# Altium PCB QCopterFC__Pcb.PcbDoc (part 2 of 2)
Units mil, origin at the board's own origin, x right, y up, seen from the top; angles counter-clockwise.
Board outline 2027.56 x 1377.95 mil, 4 copper layers (Top Layer, Mid Layer 1, Mid Layer 2, Bottom Layer), stack 24.2 mil thick; 59 components, 67 nets, 290 pads, 155 vias.
Unrouted connection lines stored in the file: 1.
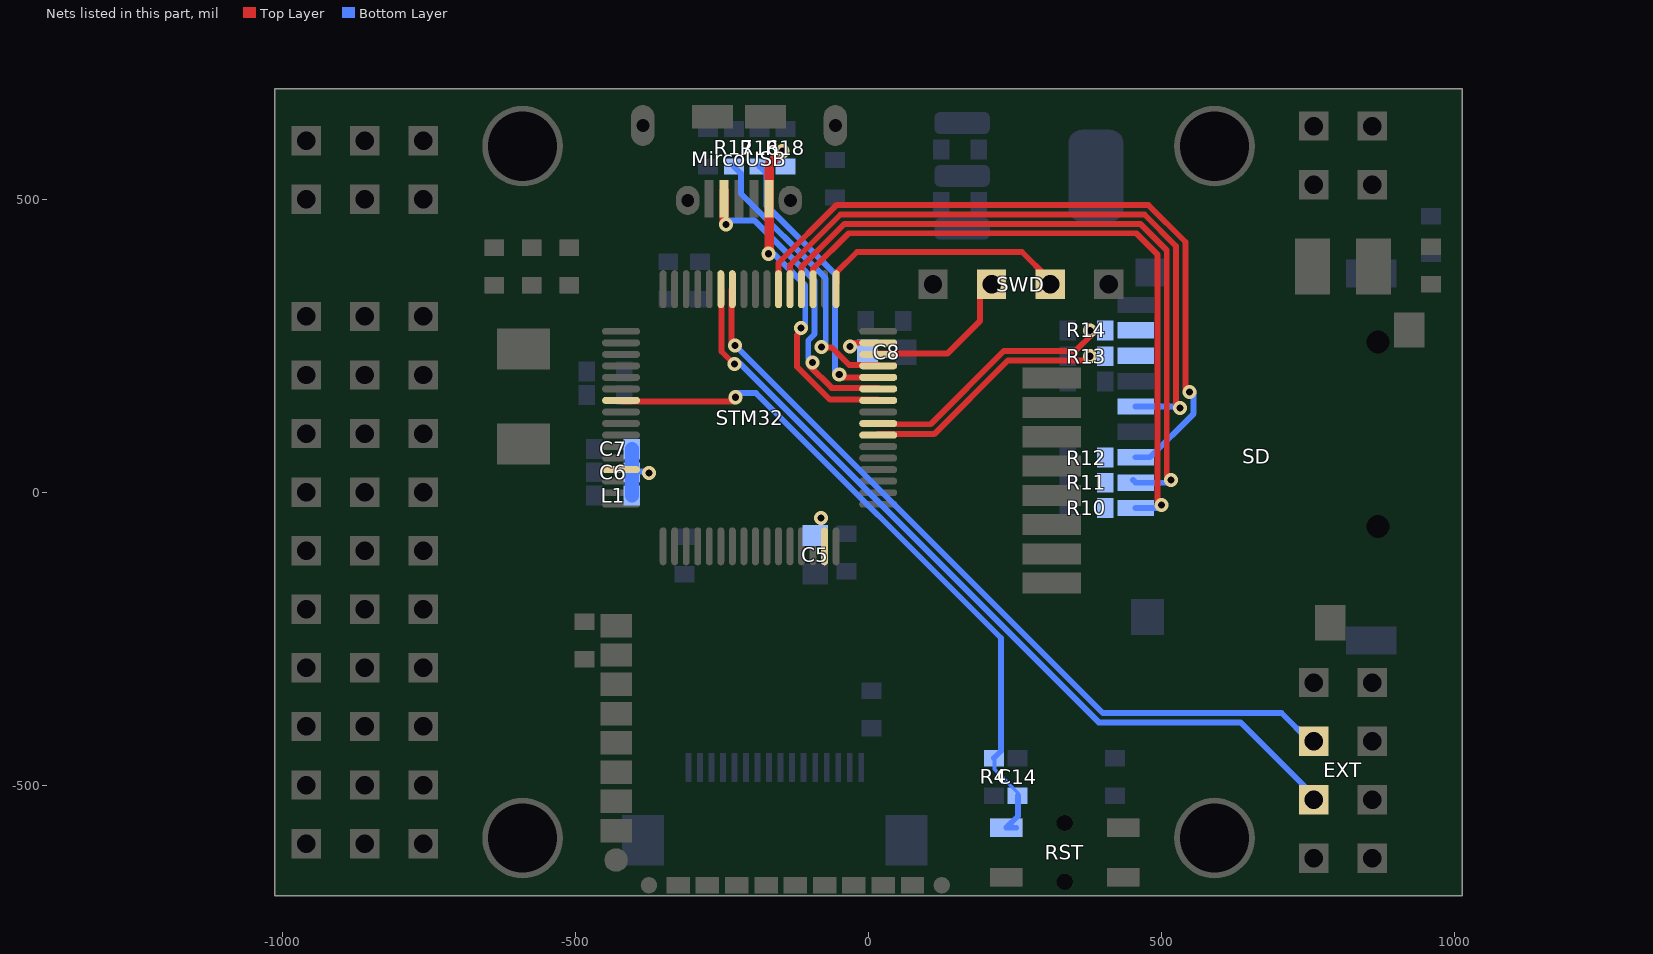
[diagram p2: the nets of this part, all layers, seen from the top]

## Via types
v1: diameter 24, hole 12, Top Layer to Bottom Layer, 155 vias

## Nets (pads, with @x,y where several pads share a name; then routed paths per layer and width w, separated by ;. In a path a pad name is that pad's centre, name@x,y a point inside that pad or via, vN(x,y) a via of type N, cw(c..) or ccw(c..) an arc to the next point about the centre after c; other vN are vias at no path point) (continued)
RST: C14.1 R4.1 RST.2 STM32.7 | length 1191
  Top Layer w10: STM32.7@-422,155 v1@-228,155
  Bottom Layer w6: R4.1@215,-454 215,-473 255,-513 C14.1@255,-518
  Bottom Layer w10: v1@-227,169 -192,169 226,-249 226,-442 R4.1@214,-454 ; RST.2@252.09,-572.91 RST.2@235,-572.91 255,-552.9 C14.1@255,-518
  other v1: -227,162
SD_CK: SD.5 STM32.53 | length 1115.7
  Top Layer w10: STM32.53@-134.1,346.49 -134.1,387.9 -48,474 471,474 525,420 525,151 v1(532,144)
  Bottom Layer w10: SD.5@456,146.23 v1@534.23,146.23
SD_CMD: R12.1 SD.3 STM32.54 | length 1256.9
  Top Layer w10: STM32.54@-153.79,346.49 -153.79,391.21 -55,490 478,490 541,427 541,178 v1(548,171)
  Bottom Layer w10: v1@555,171 555,134 SD.3@480.61,59.61 ; SD.3@480.61,59.61 SD.3@456,59.61 SD.3@480.61,59.61
SD_D0: R13.1 SD.7 STM32.39 | length 414.2
  Top Layer w10: STM32.39@16,99 112,99 238,225 v1@378,225
  other v1: 378,232
SD_D1: R14.1 SD.8 STM32.40 | length 430.8
  Top Layer w10: STM32.40@16,116 106,116 231,241 ; 231.37,241 353,241 v1@383,271
  other v1: 378,276
SD_D2: R10.1 SD.1 STM32.51 | length 1137.5
  Top Layer w10: STM32.51@-94.73,346.49 -94.73,381.27 -34,442 457,442 493,406 493,-15 v1(500,-22)
  Bottom Layer w10: SD.1@456,-27 v1@500,-27
SD_D3: R11.1 SD.2 STM32.52 | length 1174.8
  Top Layer w10: STM32.52@-114.42,346.49 -114.42,384.58 -41,458 464,458 509,413 509,28 v1(516,21)
  Bottom Layer w10: SD.2@451.31,21 SD.2@456,16.31 ; SD.2@456.31,16 v1@519,16
SWCLK: STM32.49 SWD.3 | length 426.3
  Top Layer w10: STM32.49@-55.36,346.49 -55.36,356.64 -55,357 -55,374.86 -19.86,410 262,410 306,366 SWD.3@310,366
SWDIO: STM32.46 SWD.2 | length 268.1
  Top Layer w10: STM32.46@16,237 135,237 190,292 190,335 SWD.2@210,355
UART_RX: EXT.5 STM32.59 | length 1420.1
  Top Layer w10: STM32.59@-252.21,346.49 -251,345.28 -251,240 v1@-236.53,225.53
  Bottom Layer w10: v1@-220,220 393,-393 635,-393 760,-518 EXT.5@760,-525
  other v1: -229,219
UART_TX: EXT.3 STM32.58 | length 1366.2
  Top Layer w10: STM32.58@-234,346 -234,257 v1@-227,250
  Bottom Layer w10: v1@-227.5,250.5 400,-377 705,-377 753,-425 EXT.3@760,-425
  other v1: -228,250
USB_DM: R16.1 STM32.44 | length 473
  Top Layer w10: v1@-48,201 -42.9,195.9 STM32.44@16.49,195.9
  Bottom Layer w10: R16.1@-186,556 -174,544 -174,491 ; -174,489 -57,372 v1@-57,201
  other v1: -50,201
USB_DP: R17.1 STM32.45 | length 477
  Top Layer w10: v1@-80,247 -63.44,247 ; -63,247 -33,217 STM32.45@16,217
  Bottom Layer w10: R17.1@-230,556 -218,544 -218,512 ; -218,510 -73,365 v1@-73,250
  other v1: -80,248
USB_ID: MircoUSB.4 STM32.43 | length 534.3
  Top Layer w10: v1@-101,216 -63,178 STM32.43@16,178
  Top Layer w16: MircoUSB.4@-246.59,516 -246.59,460.59 v1(-243,457)
  Bottom Layer w10: v1@-243,464 -195,464 -92,361 -92,270 -103,259 -103,228 v1(-96,221)
USB_VBUS: MircoUSB.1 R18.1 STM32.42 | length 574.2
  Top Layer w10: v1@-116,274 -122,268 -122,214 -66,158 STM32.42@16,158
  Top Layer w16: v1@-169.82,407.18 -169.82,558.18 ; -169.82,559.18 v1(-147,582)
  Bottom Layer w10: v1(-171,407) -162,407 -108,353 v1@-108,281 ; v1@-116,274 v1@-109,281
  other v1: -115,280
VCAP1: C5.1 STM32.31
  other v1: -81,-44
VCAP2: C8.1 STM32.47 | length 40.5
  Top Layer w10: v1@-24.05,254.95 STM32.47@16.49,254.95
  other v1: -32,249
VDDA: C6.2 C7.2 L1.2 STM32.13 | length 106
  Bottom Layer w10: C6.2@-404,35 v1@-378,35
  Bottom Layer w24: L1.2@-404,-6 C6.2@-404,34 -404,35 C7.2@-404,74
  other v1: -375,33
pads on no net: HDR2.1 IMU.10 IMU.11 IMU.12 IMU.13 IMU.14 IMU.15 IMU.16 KEY.4 RST.4

## Other copper
Top Layer:
  region net IMU_SDI: -458,-558 -461,-561 -461,-595 -458,-598 -404,-598 -401,-595 -401,-573 -356,-528 -356,-515 -348.5,-507.5 -357,-499 -369,-499 -369,-522 -405,-558
  region net IMU_RX: -458,-308 -461,-311 -461,-345 -458,-348 -339,-348 -250,-437 -146.8,-437 -110.78,-400.98 -110.78,-371.98 -102.28,-363.48 -110.78,-354.98 -122.78,-354.98 -122.78,-398.98 -150.8,-427 -246,-427 -335,-338 -395,-338 -401,-332 -401,-311 -404,-308
  region net IMU_TX: -458,-358 -461,-361 -461,-395 -458,-398 -404,-398 -401,-395 -401,-374 -395,-368 -342,-368 -257,-453 -138.8,-453 -89.78,-403.98 -89.78,-393.98 -81.28,-385.48 -89.78,-376.98 -101.78,-376.98 -101.78,-401.98 -143,-443 -253,-443 -338,-358
  region net IMU_CSM: -458,-408 -461,-411 -461,-445 -458,-448 -404,-448 -402,-446 -402,-443 -387,-428 -395,-420 -396,-420 -396,-408
  region net IMU_SCK: -458,-458 -461,-461 -461,-495 -458,-498 -404,-498 -402,-496 -402,-493 -387,-478 -395,-470 -396,-470 -396,-458
  region net IMU_SDO: -458,-508 -461,-511 -461,-545 -458,-548 -404,-548 -401,-545 -401,-537 -378.5,-514.5 -395,-498 -405,-508
  region net IMU_IRQ: -470,-620 -470,-608 -404,-608 -401,-611 -401,-631 -418,-648 -459,-648 -478.5,-628.5
  region net USB_VBUS: -138.5,573.5 -162,550 -162,407.18 -178,407.18 -178,568 -155.5,590.5
  region net GND: 388,-651 283,-651 272,-662 272,-676 275,-679 392,-679 398,-673 398,-661
  region net GND: 105,-657 195,-657 198,-660 198,-682 195,-685 105,-685 102,-682 102,-660
  region net KEY: 463,-557 451,-557 424.5,-530.5 416,-539 404,-539 404,-586 407,-589 463,-589 466,-586 466,-560
  region net 3V3: -195,-685 -195,-657 -175,-637 177,-637 187,-627 187,-539 199,-539 207.5,-547.5 201,-554 201,-628 214,-641 262,-641 272,-631 397,-631 407,-641 463,-641 466,-644 466,-663 469,-666 818,-666 832,-652 832,-603 835,-600 914,-600 924,-590 924,-304 914,-294 811,-294 785,-320 785,-350 735,-350 735,-300 785,-300 805,-280 920,-280 938,-298 938,-596 920,-614 901,-614 888,-627 888,-647 885,-650 854,-650 824,-680 462,-680 455,-673 407,-673 404,-670 404,-658 391,-645 279,-645 266,-658 266,-670 263,-673 207,-673 204,-670 204,-654 201,-651 -149,-651 -155,-657 -155,-685
  region net NetD1_1: 946,338 943,341 943,381 951.5,389.5 960,381 968.5,389.5 977,381 977,341 974,338
  region net NRF_IRQ: 363,-87 366,-90 366,-121 363,-124 263,-124 260,-121 260,-94 193,-27 -13,-27 -16,-24 -16,-17 -13,-14 49,-14 52,-17 197,-17 267,-87
  region net NRF_SDO: 363,-37 366,-40 366,-71 363,-74 263,-74 221,-32 221,14 233,14 241.5,5.5 233,-3 233,-20 250,-37
  region net NRF_CSN: 263,76 260,79 260,110 263,113 462,113 472,123 472,397 448,421 -25,421 -69,377 -69,317 -72,314 -79,314 -82,317 -82,378 -29,431 452,431 482,401 482,119 466,103 375,103 366,94 366,79 363,76
  region net NRF_SDI: 363,13 366,10 366,-21 363,-24 251,-24 251,-12 242.5,-3.5 259,13
  region net NRF_SCK: 363,63 366,60 366,29 363,26 251,26 251,38 242.5,46.5 259,63
  region net NRF_CE: 363,163 366,160 366,129 363,126 250,126 242.5,133.5 251,142 242.5,150.5 255,163
  region net 3V3: 263,176 260,179 260,210 263,213 367,213 380.5,199.5 372,191 380.49,182.51 374.05,176
  region net 3V3: -354,379 -357,376 -357,319 -395,281 -452,281 -455,278 -455,271 -451.99,267.99 -389.62,268 -363.62,294 -353,294 -353,306 -344,306 -344,376 -347,379
  region net IMU_RX: -101,-63 -101,-178 -89,-178 -80.5,-169.5 -88,-162 -88,-63 -91,-60 -98,-60
  region net IMU_TX: -120.78,-62.98 -120.79,-197.96 -98.28,-220.48 -89.78,-211.98 -89.78,-199.98 -99.78,-199.98 -107.78,-191.98 -107.78,-62.98 -110.78,-59.98 -117.78,-59.98
  region net PWM5: -167,-122 -167,-60 -183,-44 -266,-44 -294,-16 -348,-16 -381,-49 -509,-49 -760,-300 -753,-307 -505,-59 -377,-59 -344,-26 -298,-26 -270,-54 -187,-54 -180,-61 -180,-122 -177,-125 -170,-125
  region net PWM4: -147,-122 -147,-57 -176,-28 -259,-28 -287,0 -355,0 -388,-33 -593,-33 -760,-200 -753,-207 -589,-43 -384,-43 -351,-10 -291,-10 -263,-38 -180,-38 -160,-58 -160,-122 -157,-125 -150,-125
  region net KEY: -141,-63 -141,-125 -138,-128 -138,-212 -48,-302 582,-302 670,-390 795,-390 835,-350 885,-350 885,-300 835,-300 835,-336 791,-380 674,-380 586,-292 276,-292 265.5,-281.5 257,-290 248.5,-281.5 238,-292 -44,-292 -128,-208 -128,-63 -131,-60 -138,-60
  region net ADC_V: -200,-63 -200,-232 -113,-319 576,-319 729,-472 811,-472 835,-496 835,-550 885,-550 885,-500 853,-500 815,-462 733,-462 579,-308 -107,-308 -187,-228 -187,-63 -190,-60 -197,-60
  region net ADC_I: -219,-63 -219,-239 -122,-336 570,-336 722,-488 784,-488 794.5,-498.5 803,-490 803,-478 726,-478 573,-325 -116,-325 -206,-235 -206,-63 -209,-60 -216,-60
  region net FFC_SDI: -239,-63 -239,-289 -230.5,-297.5 -213.5,-280.5 -226,-268 -226,-63 -229.17,-60 -236,-60
  region net FFC_SDO: -259,-63 -259,-300 -228,-331 -205,-331 -205,-307 -230,-307 -246,-291 -246,-63 -249,-60 -256,-60
  region net FFC_SCK: -279,-63 -279,-311 -229,-361 -188,-361 -188,-337 -231,-337 -266,-302 -266,-63 -269,-60 -276,-60
  region net FFC_CS: -298,-63 -298,-323 -230,-391 -172,-391 -172,-367 -232,-367 -285,-314 -285,-63 -288,-60 -295,-60
  region net PWM6: -357,-63 -357,-117.62 -359.38,-120 -480,-120 -760,-400 -753,-407 -476,-130 -351,-130 -344,-123 -344,-63 -347,-60 -354,-60
  region net 3V3: -52,-125 -49,-122 -49,-60 -41.5,-52.5 -50,-44 -41.5,-35.5 -65,-12 -252,-12 -280,16 -301,16 -311.5,26.5 -320,18 -320,6 -284,6 -256,-22 -72,-22 -62,-32 -62,-43.75 -62,-122 -59,-125
  region net VCAP1: -69,-44 -81,-44 -89.5,-52.5 -81,-61 -81,-122 -78,-125 -72,-125 -69,-122
  region net VCAP2: -32,261 -32,249 -23.5,240.5 -15,249 46,249 49,252 49,258 46,261
  region net 3V3: 104,327 132,327 135,330 135,355 110,355 36,281 -16,281 -23.5,288.5 -32,280 -32,268 45,268
  region net OSC1: -393,189 -390,192 -390,199 -393,202 -491,202 -544,255 -544,279 -547,282 -631,282 -634,279 -634,209 -631,206 -529,206 -515.5,192.5 -507,201 -507,189
  region net OSC2: -491,170 -393,170 -390,173 -390,180 -393,183 -507,183 -507,171 -515.5,179.5 -575,120 -631,120 -634,117 -634,47 -631,44 -547,44 -544,47 -544,117
  region net RST: -452,150 -227,150 -227,162 -235.5,170.5 -246,160 -391,160 -394,163 -452,163 -455,160 -455,153
  region net FFC_IO1: -452,130 -394,130 -391,133 -201,133 -201,145 -209.5,153.5 -220,143 -452,143 -455,140 -455,133
  region net FFC_IO2: -452,111 -388,111 -382,117 -213,117 -202.5,106.5 -194,115 -194,127 -388,127 -391,124 -452,124 -455,121 -455,114
  region net IMU_CSM: -452,91 -294,91 -232.5,29.5 -224,38 -224,50 -239,50 -290,101 -385,101 -388,104 -452,104 -455,101 -455,94
  region net VDDA: -452,32 -391,32 -383.5,24.5 -375,33 -375,45 -452,45 -455,42 -455,35
  region net PWM1: -393,25 -452,25 -455,22 -668,22 -753,107 -760,100 -672,12 -393,12 -390,15 -390,22
  region net PWM2: -393,5 -452,5 -453,4 -760,4 -760,-6 -454,-6 -452,-8 -393,-8 -390,-5 -390,2
  region net PWM3: -393,-14 -674,-14 -760,-100 -753,-107 -670,-24 -455,-24 -452,-27 -393,-27 -390,-24 -390,-17
  region net BOOT0: -275,379 -278,376 -278,315 -285.5,307.5 -277,299 -265,299 -265,376 -268,379
  region net CAN_RX: -285,317 -285,408 -311,434 -390,434 -466.5,357.5 -458,349 -446,349 -446,361 -385,422 -317,422 -298,403 -298,317 -295,314 -288,314
  region net CAN_TX: -305,317 -305,401 -320,416 -382,416 -436.5,361.5 -428,353 -416,353 -416,365 -377,404 -326,404 -318,396 -318,317 -315,314 -308,314
  region net UART_RX: -259,376 -259,317 -256,314 -256,229 -237.5,210.5 -229,219 -229,231 -235,231 -246,242 -246,376 -249,379 -256,379
  region net UART_TX: -239,376 -239,249 -227,249 -218.5,257.5 -229,268 -229,314 -226,317 -226,376 -229,379 -236,379
  region net NRF_SDI: -219,376 -219,276 -206,276 -206,314 -206,376 -209,379 -216,379
  region net NRF_SDO: -200,376 -200,296 -188,296 -179.5,304.5 -187,312 -187,376 -190,379 -197,379
  region net NRF_SCK: -180,376 -180,314 -170,304 -170,299 -160,299 -160,308 -167,315 -167,376 -170,379 -177,379
  region net SD_CMD: -147,317 -147,391 -53,485 476,485 536,425 536,171 548,171 556.5,179.5 546,190 546,429 480,495 -57,495 -160,392 -160,317 -157,314 -150,314
  region net SD_CK: -128,317 -128,387 -46,469 469,469 520,418 520,144 532,144 540.5,152.5 530,163 530,422 473,479 -50,479 -141,388 -141,317 -138,314 -131,314
  region net SD_D3: -108,317 -108,384 -39,453 462,453 504,411 504,21 516,21 524.5,29.5 514,40 514,415 466,463 -43,463 -121,385 -121,317 -118,314 -111,314
  region net SD_D2: -88,317 -88,381 -32,437 455,437 488,404 488,-22 500,-22 508.5,-13.5 498,-3 498,408 459,447 -36,447 -101,382 -101,317 -98,314 -91,314
  region net SWCLK: -49,317 -49,374 -18,405 260,405 310,355 335,355 335,380 332,383 296,383 264,415 -22,415 -62,375 -62,317 -59,314 -52,314
  region net SWDIO: -13,229 49,229 52,232 137,232 195,290 195,320 202,327 232,327 235,330 235,355 210,355 185,330 185,294 133,242 -13,242 -16,239 -16,232
  region net USB_DP: 46,222 -31,222 -69,260 -80,260 -80,236 -59,236 -32,209 46,209 49,212 49,219
  region net USB_DM: 46,202 -34,202 -41.5,209.5 -50,201 -50,189 46,189 49,192 49,199
  region net USB_ID: 46,183 -58,183 -80,205 -80,222 -87.5,229.5 -104.5,212.5 -62,170 46,170 49,173 49,180
  region net USB_VBUS: 46,163 -64,163 -117,216 -117,262 -107.5,271.5 -116,280 -127,280 -127,212 -68,153 -16,153 -13,150 46,150 49,153 49,160.06
  region net NRF_CE: -13,130 64,130 64,142 55.5,150.5 48,143 -13,143 -16,140 -16,133
  region net SD_D1: -13,111 108,111 233,236 355,236 386.5,267.5 378,276 366,276 366,261 351,246 229,246 104,121 52,121 49,124 -13,124 -16,121 -16,114
  region net SD_D0: -13,91 49,91 52,94 114,94 240,220 378,220 378,232 369.5,240.5 359,230 236,230 110,104 -13,104 -16,101 -16,94
  region net PWM7: 46,84 -13,84 -16,81 -118,81 -133,96 -225,96 -235.5,106.5 -244,98 -244,86 -138,86 -123,71 46,71 49,74 49,81.31
  region net PWM8: 46,65 -126,65 -141,80 -231,80 -231,68 -222.5,59.5 -212,70 -146,70 -131,55 -19,55 -16,52 46,52 49,55 49,62
  region net IMU_SCK: 46,6 -177,6 -185.5,14.5 -194,6 -194,-6 -175,-6 -14,-6 -13,-7 46,-7 49,-4 49,3
  region net NetMircoUSB_3: -229,484 -226,481 -216,481 -213,484 -213,594 -225,594 -233.5,585.5 -229,581
  region net NetMircoUSB_2: -203.5,484 -200.5,481 -190.5,481 -187.5,484 -187.5,581 -182.75,585.75 -191,594 -203.5,594
  region net USB_ID: -255,548 -252,551 -241.5,551 -238.5,548 -238.5,469.5 -234.5,465.5 -243,457 -255,457
  region net NetD4_1: -506,391 -494,391 -494,431 -497,434 -525,434 -528,431 -528,396 -514.5,382.5
  region net NetD3_1: -570,391 -558,391 -558,431 -561,434 -589,434 -592,431 -592,396 -578.5,382.5
  region net NetD2_1: -634,391 -622,391 -622,431 -625,434 -653,434 -656,431 -656,396 -642.5,382.5
  region net LED_B: -494,367 -497,370 -514.03,370 -537,393 -537,445 -555,463 -580,463 -690,573 -690,637.97 -717.03,665 -945,665 -988,622 -988,578 -985,575 -935,575 -932,578 -932,625 -904,653 -722,653 -702,633 -702,568 -585,451 -560,451 -549,440 -549,388 -528,367 -528,339 -525,336 -509,336 -504,331 -504,295 -457,248 -393,248 -390,251 -390,258 -393,261 -456,261 -494,299
  region net LED_G: -558,340 -558,367 -561,370 -578.03,370 -601,393 -601,455 -710,564 -710,628.97 -726.03,645 -865,645 -888,622 -888,578 -885,575 -835,575 -832,578 -832,625 -824,633 -731,633 -722,624 -722,559 -613,450 -613,388 -592,367 -592,339 -589,336 -568,336 -461,229 -393,229 -390,232 -390,239 -393,242 -460,242
  region net LED_R: -622,343 -622,367 -625,370 -642.03,370 -665,393 -665,490 -732,557 -732,622 -735,625 -785,625 -788,622 -788,578 -785,575 -767,575 -747,555 -736.49,544.51 -677,485.03 -677,388 -656,367 -656,339 -653,336 -629,336 -597,304 -559,304 -464,209 -393,209 -390,212 -390,219 -393,222 -463,222 -555,314 -593,314
  region net GND: 808 vertices and 0 holes, not listed, extent -1005,-685 1005,680
  region net 5V: 728,647 731,650 785,650 788,647 788,337 785,334 731,334 728,337
  region net 3V3: -502,-207 -505,-210 -505,-232 -502,-235 -471,-235 -458,-248 -404,-248 -401,-245 -401,-227 -394,-220 -312.62,-220 -305,-212.38 -305,-60 -297.5,-52.5 -306,-44 -318,-44 -318,-207
  region net GND: 242,196 254,196 254,171 233,150 233,134 250.5,116.5 242,108 254,108 254,67 215,28 215,-8 212,-11 58,-11 55,-8 55,76 67,76 67,88 117,88 233.5,204.5
  region net GND: -147,-131 -144,-134 -144,-216 -90,-270 -90,-287 -96,-293 -113,-293 -181,-225 -181,-134 -178,-131
  region net IMU_SDI: 46,45 -130,45 -145.5,60.5 -162.5,43.5 -151,32 46,32 49,35 49,42
  region net IMU_SDO: 46,25 -153,25 -165.5,37.5 -182.5,20.5 -174,12 46,12 49,15 49,22
  region net IMU_IRQ: -452,71 -393,71 -390,74 -300,74 -252,26 -252,11 -240,11 -231.5,19.5 -296,84 -452,84 -455,81 -455,74
Bottom Layer:
  region net IMU_TX: -89.78,-211.98 -77.78,-211.98 -77.78,-376.98 -89.78,-376.98 -98.28,-368.48 -87.78,-357.98 -87.78,-230.98 -98.28,-220.48
  region net IMU_RX: -89.78,-178.98 -98.28,-170.48 -122.78,-194.98 -122.78,-354.98 -110.78,-354.98 -102.28,-346.48 -111.78,-336.98 -111.78,-198.98 -103.78,-190.98 -89.78,-190.98
  region net RST: -227,162 -219,154 -209,164 -194,164 111.5,-141.5 118.5,-134.5 -190,174 -227,174
  region net FFC_IO1: -76.4,-495 -73.4,-498 -69.4,-498 -66.4,-495 -66.4,-426.36 -132,-360.76 -132,-41 -110,-19 -110,71 -192.5,153.5 -201,145 -201,133 -186,133 -120,67 -120,-15 -142,-37 -142,-365.26 -76.4,-430.86
  region net FFC_SCK: -188,-349 -200,-349 -200,-399 -155.2,-443.8 -155.2,-495 -152.2,-498 -148.1,-498 -145.1,-495 -145.1,-439.9 -190,-395 -190,-368 -179.5,-357.5
  region net FFC_CS: -105.8,-495 -108.8,-498 -112.8,-498 -115.8,-495 -115.8,-445.2 -177,-384 -172,-379 -160,-379 -160,-387 -105.8,-441.2
  region net FFC_SDO: -194.5,-495 -191.5,-498 -187.5,-498 -184.5,-495 -184.5,-432.5 -207,-410 -207,-338 -196.5,-327.5 -205,-319 -217,-319 -217,-414 -194.5,-436.5
  region net FFC_SDI: -233.9,-495 -233.9,-289 -222,-289 -213.5,-297.5 -223.9,-307.9 -223.9,-495 -226.9,-498 -230.9,-498
  region net FFC_IO2: -194,115 -194,103 -179,103 -136,60 -136,-8 -158,-30 -158,-185 -273.3,-300.3 -273.3,-495 -270.3,-498 -266.2,-498 -263.2,-495 -263.2,-304.2 -148,-189 -148,-34 -126,-12 -126,64 -185.5,123.5
  region net IMU_SCK: -194,6 -206,6 -206,-164 -378,-336 -378,-435 -404.5,-461.5 -396,-470 -384,-470 -384,-458 -368,-442 -368,-340 -196,-168 -196,-13 -185.5,-2.5
  region net PWM8: -726,-566 -760,-600 -753,-607 -716,-570 -716,-493 -509,-286 -383,-286 -245,-148 -245,-12 -258,1 -258,44 -246,56 -231,56 -231,68 -239.5,76.5 -268,48 -268,-3 -255,-16 -255,-144 -387,-276 -513,-276 -726,-489
  region net PWM7: -760,-500 -520,-260 -394,-260 -271,-137 -271,-24 -285,-10 -285,54 -256,83 -256,98 -244,98 -235.5,89.5 -275,50 -275,-6 -261,-20 -261,-141 -390,-270 -516,-270 -753,-507
  region net 3V3: 231,-504 228,-501 198,-501 2,-305 2,-95 -21,-72 -21,-56 -41.5,-35.5 -50,-44 -62,-44 -62,-82 -56,-88 -29,-88 -15,-102 -15,-350 -12,-353 26,-353 187,-514 187,-539 199,-539 207.5,-547.5 220,-535 228,-535 231,-532
  region net KEY: 438,-504 438,-534 424.5,-547.5 417,-540 417,-539 404,-539 404,-518 376,-490 376,-406 272,-302 257,-302 257,-290 265.5,-281.5 386,-402 386,-486 402,-502 436,-502
  region net RST: 207,-557 204,-560 204,-586 207,-589 268,-589 271,-586 271,-504 268,-501 261,-501 231,-471 231,-247 213,-229 206,-236 221,-251 221,-432 216,-437 200,-437 197,-440 197,-468 200,-471 207,-471 237,-501 237,-547 227,-557
  region net NetFFCSPI_1: -56.8,-495 -53.8,-498 -49.7,-498 -46.7,-495 -46.7,-442.7 -43,-439 -21,-439 -17.4,-442.6 -17.4,-495 -14.4,-498 -10.3,-498 -7.3,-495 -7.3,-432.3 5,-420 19,-420 22,-417 22,-389 19,-386 -9,-386 -12,-389 -12,-420 -20,-428 -47,-428 -56.8,-437.8
  region net NetD1_1: 946,338 943,341 943,421 946,424 974,424 977,421 977,341 974,338
  region net SD_CK: 425,161 422,158 422,135 425,132 532,132 532,144 540.5,152.5 532,161
  region net SD_D2: 390,-10 387,-13 387,-41 390,-44 495,-44 508.5,-30.5 500,-22 500,-10
  region net SD_D3: 390,33 387,30 387,2 390,-1 511,-1 524.5,12.5 516,21 516,33
  region net SD_CMD: 390,76 387,73 387,45 390,42 488,42 491,45 491,62 560,131 560,171 548,171 539.5,162.5 550,152 550,136 490,76
  region net SD_D0: 378,249 369.5,240.5 378,232 369.5,223.5 378,215 488,215 491,218 491,246 488,249
  region net GND: 390,206 390,172 393,169 485,169 491,175 491,203 485,209 393,209
  region net SD_D1: 378,293 369.5,284.5 378,276 369.5,267.5 378,259 488,259 491,262 491,290 488,293
  region net 3V3: -294,-33 -312,-15 -312,286 -322,296 -322,340 -325,343 -364,343 -422,401 -422,411 -386,447 -274,447 -262,459 -262,537 -257,542 -257,570 -260,573 -288,573 -291,570 -291,542 -282,533 -282,467 -394,467 -491,370 -653,370 -656,367 -656,339 -653,336 -497,336 -446,387 -436,387 -365,316 -365,306 -352.86,306.14 -361.5,297.5 -332,268 -332,-22 -318,-36 -318,-52 -328,-62 -451,-62 -451,8 -454,11 -482,11 -485,8 -485,-20 -471,-34 -471,-70.28 -459.28,-82 -339,-82 -328,-93 -300,-93 -294,-87
  region net IMU_CSM: -212,38 -212,-161 -384,-333 -384,-420 -396,-420 -404.5,-411.5 -394,-401 -394,-329 -222,-157 -222,19 -232.5,29.5 -224,38
  region net 3V3: 2,268 12,278 12,306 9,309 -20,309 -40.5,288.5 -32,280 -32,268
  region net OSC1: -467,223 -464,220 -464,192 -467,189 -507,189 -507,201 -515.5,209.5 -502,223
  region net OSC2: -507,171 -507,183 -467,183 -464,180 -464,152 -467,149 -502,149 -515.5,162.5
  region net NetMircoUSB_3: -225,594 -213,594 -213,634 -216,637 -288,637 -291,634 -291,606 -288,603 -251,603 -233.5,585.5
  region net NetMircoUSB_2: -203,594 -203,634 -200,637 -172,637 -169,634 -169,599.5 -183,585.5 -191.5,594
  region net USB_VBUS: -147,582 -159,582 -159,542 -156,539 -128,539 -125,542 -125,577 -138.5,590.5
  region net USB_DM: -203,570 -200,573 -172,573 -169,570 -169,491 -52,374 -52,220 -41.5,209.5 -50,201 -62,201 -62,370 -179,487 -179,533 -185,539 -200,539 -203,542
  region net USB_DP: -247,570 -244,573 -216,573 -213,570 -213,512 -68,367 -68,248 -80,248 -88.5,256.5 -78,267 -78,363 -223,508 -223,533 -229,539 -244,539 -247,542
  region net 5V: -159,606 -156,603 -139,603 -97,561 -82,561 -74,553 -40,553 -32,561 86.28,561 98,572.72 98,611 202,611 234,643 489,643 489,501.72 500.72,490 775,490 785,500 785,524 735,524 735,516 729,510 509,510 509,651.28 497.28,663 225.72,663 211.72,649 107.72,649 78,619.28 78,581 -89,581 -125,617 -125,634 -154,663 -347.28,663 -359,651.28 -359,585 -429,515 -622,515 -658,551 -859,551 -885,525 -885,-625 -882,-628 -838,-628 -835,-625 -835,525 -829,531 -666.28,531 -630.28,495 -420.72,495 -339,576.72 -339,643 -169,643 -159,633
  region net GND: 847 vertices and 0 holes, not listed, extent -1005,-680 1005,680
  region net NetD3_1: -570,391 -558,391 -558,431 -561,434 -589,434 -592,431 -592,396 -578.5,382.5
  region net NetD2_1: -634,391 -622,391 -622,431 -625,434 -653,434 -656,431 -656,396 -642.5,382.5
  region net NetD4_1: -506,391 -494,391 -494,431 -497,434 -525,434 -528,431 -528,396 -514.5,382.5
  region net BOOT0: -310,349 -310,315 -285.5,290.5 -277,299 -265,299 -265,349 -268,352 -307,352
  region net VCAP1: -69,-44 -69,-92 -72,-95 -110,-95 -113,-92 -113,-56 -89,-32 -81,-32 -81,-44
  region net VCAP2: -32,261 16,261 19,258 19,220 16,217 -20,217 -44,241 -44,249 -32,249
  region net CAN_RX: -458,349 -470,349 -470,337 -520,287 -729,287 -735,293 -735,300 -760,300 -760,275 -515,275 -449.5,340.5
  region net CAN_TX: -428,353 -440,353 -440,341 -512,269 -691,269 -760,200 -752,192 -687,257 -507,257 -419.5,344.5
  region net VDDA: -418,91 -415,94 -393,94 -390,91 -390,65 -366,41 -374,33 -375,33 -366.5,24.5 -390,1 -390,-23 -393,-26 -415,-26 -418,-23
  region net UART_RX: -229,219 -229,207 -214,207 391,-398 633,-398 760,-525 767,-518 637,-388 395,-388 -220.5,227.5
  region net NRF_SDI: -211,276 -199,276 -199,252 60,-7 239,-7 242.5,-3.5 251,-12 242.5,-20.5 239,-17 56,-17 -210,249 -210,258 -219.5,267.5
  region net UART_TX: -228,250 -228,238 -222,238 398,-382 703,-382 753,-432 760,-425 707,-372 402,-372 -216,246 -216,250
  region net NRF_SDO: -188,296 -196.5,287.5 -193,284 -193,255 53,9 221,9 224.5,5.5 233,14 224.5,22.5 221,19 57,19 -183,259 -183,284 -179.5,287.5
  region net NRF_SCK: -165,276 -177,276 -177,262 51,34 238,34 242.5,29.5 251,38 242.5,46.5 240,44 55,44 -160,259 -160,264 -156.5,267.5
  region net USB_VBUS: -170,408 -162.5,415.5 -103,356 -103,280 -115,280 -123.5,288.5 -113,299 -113,351 -158,396 -170,396
  region net USB_ID: -243,457 -234.5,448.5 -224,459 -197,459 -97,359 -97,272 -108,261 -108,221 -96,221 -87.5,229.5 -98,240 -98,257 -87,268 -87,363 -193,469 -243,469
  region net NRF_CE: 64,142 64,130 251,130 251,142 242.5,150.5 232,140 83,140 72.5,150.5
  region net ADC_I: 794.5,-481.5 855.5,-420.5 872.5,-437.5 811.5,-498.5
  region net 3V3: 487,89 490,92 490,114.15 487.15,117 425,117 418,110 360,110 354,116 354,173 360,179 372,179 372,203 360,203 354,209 354,293 351,296 329,296 322,289 176,289 135,330 135,380 132,383 111,383 105,389 105,465 118,478 138,478 141,481 141,515 147,521 205,521 208,524 208,556 205,559 147,559 141,565 141,599 138,602 110,602 107,599 107,495 85,473 85,330 88,327 110,327 168,269 320,269 326,263 326,-198 448,-320 729,-320 739,-330 760,-330 760,-300 456,-300 346,-190 346,-52 354,-44 354,83 360,89 425,89
  region net 3V3: 977,457 974,454 957,454 935,432 461,432 432,461 354,461 340,475 340,605 354,619 422,619 436,605 436,485 469,452 927,452 943,468 943,485 946,488 974,488 977,485
  region net IMU_SDO: -174,29 -162,29 -162,-2 -180,-20 -180,-175 -352,-347 -352,-468 -375,-491 -375,-506 -387,-506 -395.5,-497.5 -362,-464 -362,-343 -190,-171 -190,-16 -173,1 -173,11 -182.5,20.5
  region net IMU_SDI: -154,52 -142,52 -142,-5 -164,-27 -164,-182 -336,-354 -336,-495 -348.5,-507.5 -357,-499 -357,-487 -352,-487 -346,-481 -346,-350 -174,-178 -174,-23 -152,-1 -152,33 -162.5,43.5
  region net IMU_IRQ: -240,11 -248.5,2.5 -238,-8 -238,-150 -380,-292 -462.14,-292 -468,-297.86 -468,-601 -478.5,-611.5 -470,-620 -458,-620 -458,-302 -376,-302 -228,-154 -228,11

## Silkscreen, mask and mechanical layers (free items; w line width, h text height)
Top Overlay:
  drawing of 985 lines, arcs and shapes, not listed
  text "3V3" at 76,435 h25
  text "DIO" at 180,435 h25
  text "CLK" at 275,435 h25
  text "GND" at 376,435 h25
  text "s" at -780,380 h60
  text "-" at -980,370 h60
  text "+" at -880,370 h60
  text "X" at -46.78,-318.98 h100
  text "QFC" at 388.22,-410.98 h160
  text "Y" at -271.78,-563.98 h100
  text "Z" at 68.22,-608.98 h100
Bottom Overlay:
  drawing of 2646 lines, arcs and shapes, not listed
  text "LDB" at -926,637 h26
  text "LDG" at -826,637 h26
  text "LDR" at -726,637 h26
  text "NC" at -739,537 h26
  text "+" at 780,421 h60
  text "-" at 880,421 h60
  text "-" at -940,370 h60
  text "+" at -840,370 h60
  text "CRX" at -726,337 h26
  text "CTX" at -726,237 h26
  text "PW1" at -730,137 h26
  text "PW2" at -726,37 h26
  text "PW3" at -726,-63 h26
  text "PW4" at -726,-163 h26
  text "QCopterFC" at -425.78,-254.98 h28.15
  text "PW5" at -726,-263 h26
  text "3V3" at 794,-288 h26
  text "v2.2" at -580.78,-302.98 h24
  text "PW6" at -726,-363 h26
  text "UTX" at 794,-388 h26
  text "ADI" at 890,-388 h26
  text "PW7" at -726,-463 h26
  text "URX" at 794,-488 h26
  text "ADV" at 895,-488 h26
  text "PW8" at -726,-563 h26
  text "GND" at 794,-588 h26
  text "3V3" at 894,-588 h26
Mechanical 1:
  lines w0: -1013.78,-688.98 -1013.78,688.98 1013.78,688.98 1013.78,-688.98 -1013.78,-688.98
  lines w1: -1013.78,-688.98 1013.78,688.98 ; -1013.78,688.98 1013.78,-688.98
Drill Drawing:
  text ".Legend" at 1386.22,-666.98 h60

## Dimensions
-1013.78,688.98 to -1013.78,-688.98 on Mechanical 1
1013.78,688.98 to -1013.78,688.98 on Mechanical 1

## Text inside footprints (layer, text, board x,y; h text height)
IMU: Top Overlay "TX/SCL" at -389,-393 h30; Top Overlay "RX/SDA" at -389,-343 h30; Top Overlay "CSM" at -389,-443 h30; Top Overlay "SCK" at -389,-493 h30; Top Overlay "SDO" at -389,-543 h30; Top Overlay "SDI" at -389,-593 h30; Top Overlay "IRQ" at -389,-643 h30; Top Overlay "GND" at -389,-293 h30; Top Overlay "3V3" at -389,-243 h30
NRF: Top Overlay "CE" at 374,130 h30; Top Overlay "3V3" at 374,180 h30; Top Overlay "CSN" at 374,80 h30; Top Overlay "SCK" at 374,30 h30; Top Overlay "SDI" at 374,-20 h30; Top Overlay "SDO" at 374,-70 h30; Top Overlay "IRQ" at 374,-120 h30; Top Overlay "GND" at 374,-170 h30